# Altium PCB HIVE_BOARD_PCB ASCII REV Project_PCB_Rev.Project_SCH_Rev.PcbDoc (part 6 of 9) (continued)
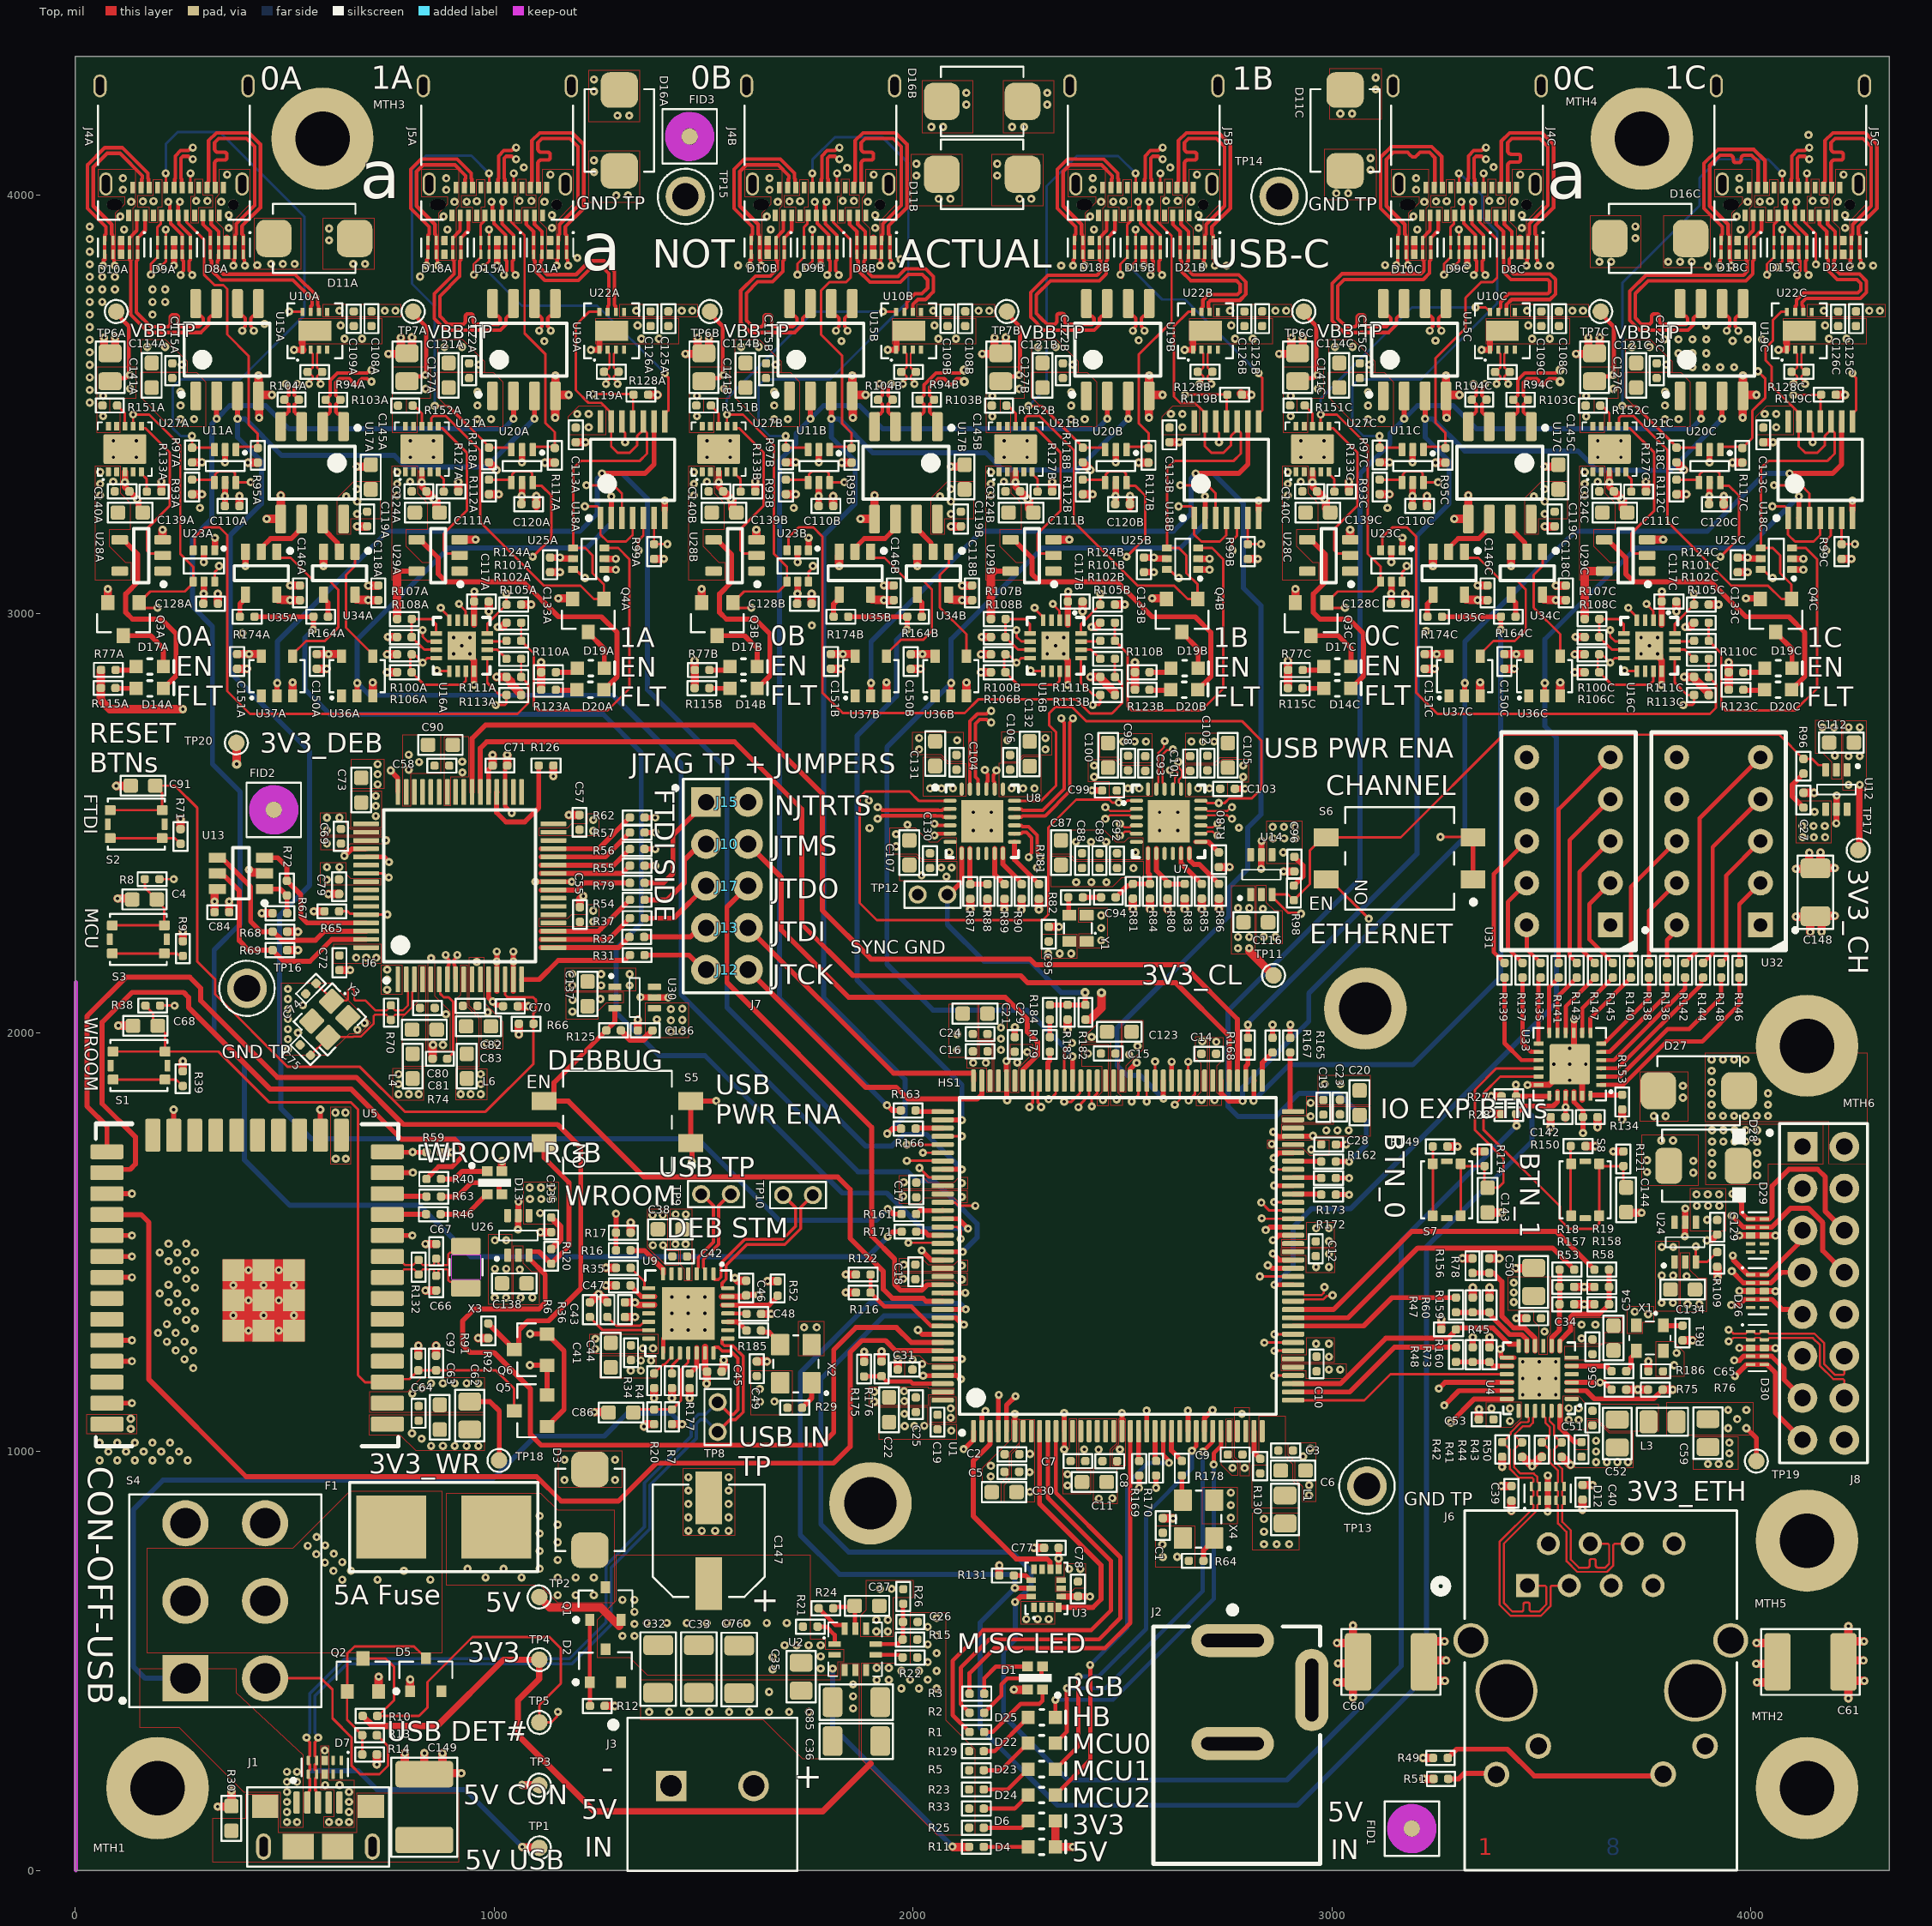
[diagram p0: Top view]
## Nets (pads, with @x,y where several pads share a name; then routed paths per layer and width w, separated by ;. In a path a pad name is that pad's centre, name@x,y a point inside that pad or via, vN(x,y) a via of type N, cw(c..) or ccw(c..) an arc to the next point about the centre after c; other vN are vias at no path point) (continued)
  other v1: 606,115.81 630,115.81 654,115.81 654,139.81 340.3,152.73 654,163.81 654,187.81 373.45,190.5 596.97,204.12 631.36,204.12 3218.54,219.1 922.08,232.22 720.3,252.81 3217.31,268.87 787.18,280.35 833.71,280.35 876.96,279.88 595.98,286.46 1370.35,378.64 1418.07,378.64 1465.79,378.64 1513.51,378.64 1561.23,378.64 1608.95,378.64 1656.67,378.64 1704.39,378.64 1752.11,378.64 1857.25,387.25 1288.34,392.72 4232.9,410.82 3050.36,412.46 1857.25,415.93 1656.67,426.36 1857.25,444.61 3012.93,449.18 4271.03,452.78 800,456 724.85,462.8 3014.41,494.61 4268.85,501.39 3012.23,543.22 4270.33,546.82 1912.73,570.79 1940.16,570.79 4232.9,583.54 3050.36,585.18 1912.73,598.22 1940.16,598.22 2270.65,600.18 2297.44,600.18 2324.23,600.18 1921.48,672.22 1948.91,672.22 2372.47,719.86 2399.66,719.86 2288.6,770.38 1464,811 1496,811 1528,811 1560,811 2620.94,840.53 2758.83,842.04 1464,843 1560,843 3515.02,856.97 2758.83,872.08 1464,875 1560,875 2443.64,887.66 2475.8,888.75 2945.33,896.01 2758.83,902.11 1464,907 1560,907 3404.4,917.85 2945.48,919.79 3622.47,920.21 1168.08,932.2 1289.08,932.2 1464,939 1560,939 2185.73,940.82 3515.49,943 2791.85,960.83 2185.92,965.87 3897.65,970.38 3923.05,970.38 3948.45,970.38 3630.6,975 3656,975 3681.4,975 3706.8,975 1168.08,980.2 1289.08,980.2 2930.93,988.15 3948.45,995.78 3630.6,1000.4 2408.95,1005.12 2443.07,1004.85 2948.43,1007.4 849.88,1013.55 878.1,1013.55 906.33,1013.55 934.55,1013.55 962.78,1013.55 3948.45,1021.18 3630.6,1025.8 827.13,1030.65 804.27,1043.55 2091.59,1049.98 133.06,1054.3 1980.17,1060.9 2003.63,1061.28 2027.08,1061.66 133.06,1078.3 2785.41,1089.73 1979.81,1089.96 1239.02,1094.29 3351,1101 1382.04,1127.38 3730.32,1147.98 2024.32,1181.19 1326.35,1193.14 1350.59,1193.14 3019.89,1195.77 2993,1195.87 1651.52,1215.03 3755.55,1215.76 1350.59,1217.38 1374.83,1217.38 1963.95,1219.94 1925.13,1239.2 3972.73,1247.46 4058.76,1246.99 819.58,1253.14 3861.12,1265.37 3596,1270.08 3376.26,1272.93 413.95,1288.73 486.19,1288.73 1463.72,1290.46 1503.09,1290.46 1740.24,1296.58 1770.28,1296.58 3596,1303 3628.92,1303 3440.06,1318.4 1336.66,1321 377.83,1324.86 450.07,1324.86 522.32,1324.86 1661.83,1328.39 3754.98,1328.04 1424.35,1329.83 1463.72,1329.83 1503.09,1329.83 3723,1334 3849.16,1351.63 3876.92,1351.48 413.95,1360.98 486.19,1360.98 1063.87,1367.77 1091.64,1367.61 1424.35,1369.2 1463.72,1369.2 1503.09,1369.2 3972.73,1383.37 4058.76,1382.9 3376.26,1391.6 1266.89,1396.79 377.83,1397.1 450.07,1397.1 522.32,1397.1 1652.81,1407.16 3846.81,1418.54 1839.65,1422.83 413.95,1433.22 486.19,1433.22 1061.52,1434.68 3438.56,1437.8 2962.11,1440.57 2993,1440.57 2117,1444 1978.27,1446.06 3399.69,1461.11 2993,1471.46 1379.27,1492.61 1403.51,1492.61 3842.55,1513.93 4058.76,1515.51 3972.73,1515.98 1057.26,1530.07 1326.34,1546.78 1378.58,1564.65 1402.82,1564.65 3405.63,1570.47 3739.23,1570.11 3843.6,1580.37 1058.32,1596.5 2117,1640.85 1978.27,1642.91 3862.55,1665.8 3751.95,1667.27 3862.55,1693.94 3751.95,1695.4 622.3,1698.94 646.3,1698.94 3299.91,1728.05 3629.25,1729.01 3033.86,1732.74 3786.06,1742.57 3814.19,1742.57 2860,1763 3522.02,1774.28 3768.53,1800.9 3796.66,1800.9 621.39,1809.14 645.39,1809.14 2224.8,1838.09 2689.03,1839.32 2486.15,1840.42 3837.76,1844.86 3837.76,1872.99 3467,1875 3020.6,1876.72 2982.46,1877.21 2534,1928 257.28,1931.82 2223,1932 2105.14,1958.12 507.94,1960.3 878.16,1970.66 981.87,1973.96 1007.32,1974.55 2690.58,1979.24 507.94,1984.3 2426.37,1989.7 2105.63,1996.26 532.18,1999.67 673.96,2006.69 507.94,2008.3 2243.2,2013.19 103.12,2016.78 691,2023 507.94,2032.3 885.25,2043.77 985.13,2048.62 1187.15,2050.23 507.94,2056.3 543.77,2065.57 1187.3,2078 507.94,2080.3 1254.21,2080.35 1416.03,2083.55 1349.6,2084.61 745.07,2102.4 507.94,2104.3 745.07,2126.4 745.07,2150.4 958.8,2168.76 850,2178 2449.21,2220.03 2837.59,2228.76 2865.35,2228.6 257.48,2242.16 2449.21,2249.87 2348.42,2252.32 2449.21,2279.71 2835.23,2295.67 101.41,2320.37 2389.53,2359.22 2425.67,2359.22 2461.81,2359.22 1185.58,2360.07 2079.73,2372.37 2020.61,2375.3 2830.97,2391.06 2526.28,2392.55 2067.55,2393.81 2092.23,2393.81 2296.27,2393.73 601.19,2450.86 2832.03,2457.49 742,2459 1896.28,2488.35 2778,2489 1986.86,2496.24 4203.92,2499.63 252.04,2509.96 1894.67,2553.65 4204.98,2566.06 2427.31,2578.2 2792.69,2582.2 98.25,2588.97 722.36,2592.81 722.36,2616.81 796.34,2627.88 722.36,2640.81 821.18,2645.88 4200.72,2661.45 796.34,2663.28 2014.83,2676.14 2316.23,2676.14 2501.79,2694.97 2528.95,2694.97 2556.11,2694.97 2664.67,2694.97 2691.83,2694.97 2718.99,2694.97 2105.48,2697.89 2225.58,2697.89 2014.83,2703.3 2316.23,2703.3 4170.6,2728.51 4198.36,2728.36 903.29,2903.79 942.66,2903.79 2320.61,2903.79 2359.98,2903.79 3737.94,2903.79 3777.31,2903.79 903.29,2943.16 942.66,2943.16 2320.61,2943.16 2359.98,2943.16 3737.94,2943.16 3777.31,2943.16 148,3273.12 1565.32,3273.12 2273.98,3273.12 2982.65,3273.12 3691.31,3273.12 119,3314.12 827.66,3314.12 1536.32,3314.12 2244.98,3314.12 2953.65,3314.12 3662.31,3314.12 358,3361.38 1066.66,3361.38 1775.32,3361.38 2483.98,3361.38 3192.65,3361.38 3901.31,3361.38 254.82,3594.35 963.57,3594.27 1672.15,3594.35 2380.89,3594.27 3089.47,3594.35 3798.22,3594.27 172.51,3636.81 881.25,3636.72 1589.83,3636.81 2298.57,3636.72 3007.15,3636.81 3715.9,3636.72 214.81,3636.99 923.56,3636.9 1632.13,3636.99 2340.88,3636.9 3049.46,3636.99 3758.2,3636.9 1120.2,3650.46 1829.35,3650.64 3247.15,3651.8 3956.52,3651.18 2538.85,3652.57 643.16,3656.36 685.24,3656.36 1351.82,3656.36 1393.9,3656.36 2060.49,3656.36 2102.56,3656.36 2769.15,3656.36 2811.22,3656.36 3477.81,3656.36 3519.88,3656.36 4186.47,3656.36 4228.54,3656.36 634,3688 1342.66,3688 2051.32,3688 2759.98,3688 3468.65,3688 4177.31,3688 452.22,3691.75 95.02,3804.02 823.56,3804.64 3897.77,3829.24 1007.26,3830.63 2550.57,3830.64 2748.72,3830.74 3520.72,3830.62 4093.88,3830.63 235.97,3831 434.78,3831.73 1582.81,3831.39 1779.28,3831.01 2353.71,3830.92 3322.59,3831 4291.85,3830.91 3126.87,3832 664.17,3834.99 692.3,3834.99 3638.4,3839.99 3666.53,3839.99 1970.85,3845.69 1198.97,3849.36 606.23,3891.19 3724.47,3896.19 117.03,3917.13 888.69,3917.13 1660.34,3917.14 2432,3917.14 3203.65,3917.13 3975.31,3917.13 606.23,3919.32 366.69,3920.99 1138.34,3920.99 1910,3921 2681.66,3921 3453.31,3920.99 4224.97,3920.99 3724.47,3924.33 108,3948 879.66,3948 1651.31,3948.01 2422.97,3948.01 3194.62,3948 3966.28,3948 366.69,3950.99 1138.34,3950.99 1910,3951 2681.66,3951 3453.31,3950.99 4224.97,3950.99 134,3983 349,3983 905.65,3983 1120.66,3983 1677.31,3983.01 1892.31,3983.01 2448.97,3983.01 2663.97,3983.01 3220.62,3983 3435.62,3983 3992.28,3983 4207.28,3983 2254.33,3990.15 2282.47,3990.15 114.32,4011.72 885.97,4011.72 1657.63,4011.74 2429.28,4011.74 3200.94,4011.73 3972.59,4011.73 114.32,4039.44 885.97,4039.44 1657.63,4039.45 2429.28,4039.45 3200.94,4039.44 3972.59,4039.44 2201.03,4045.66 363,4048 1134.66,4048 1906.31,4048.01 2677.97,4048.01 3449.62,4048 4221.28,4048 1843.06,4063.98 1071.24,4065.09 2614,4065 3386,4066 2201.03,4073.79 4137.64,4142.71 2043.87,4161.92 2072,4161.92 1294.73,4188.91 1322.87,4188.91 3020.12,4193.6 3048.26,4193.6 2127.51,4215.23 2127.51,4243.36 1238.53,4246.84 3104.46,4251.54 1238.53,4274.98 3104.46,4279.67
  other v2: 3455.48,1135.46 3494.85,1135.46 3534.22,1135.46 3455.48,1174.83 3494.85,1174.83 3534.22,1174.83 3455.48,1214.2 3494.85,1214.2 3534.22,1214.2 2143.86,2482.79 2187.17,2482.79 2588.74,2482.79 2632.04,2482.79 2143.86,2526.1 2187.17,2526.1 2588.74,2526.1 2632.04,2526.1 91.44,3373.31 146.56,3373.31 800.1,3373.31 855.22,3373.31 1508.76,3373.31 1563.88,3373.31 2217.43,3373.31 2272.54,3373.31 2926.09,3373.31 2981.2,3373.31 3634.75,3373.31 3689.87,3373.31 91.44,3412.68 146.56,3412.68 800.1,3412.68 855.22,3412.68 1508.76,3412.68 1563.88,3412.68 2217.43,3412.68 2272.54,3412.68 2926.09,3412.68 2981.2,3412.68 3634.75,3412.68 3689.87,3412.68
  other v4: 3567.87,1886.45 3529.69,1924.64 3606.06,1924.64 3567.87,1962.83
HW_EN_0A: Q3A.1 U10A.8 U18A.1 U18A.4 U23A.4 U27A.7 | length 3083.6
  Top w6: U27A.7@138.68,3447.53 v1(138.68,3475.34) 177.28,3475.34 251.18,3401.45 251.18,3142.7 281.98,3111.9 U23A.4@281.98,3076.43 281.98,3072.89 262.09,3053 179.5,3053 Q3A.1@152.87,3026.37 165.25,3014 v1(196.69,3014) ; v1(511.27,3721.17) 542.1,3721.17 U10A.8@542.77,3720.5 ; v1(1216.72,3256.28) 1246.72,3256.28 1250.24,3252.76 1250.24,3232.23 U18A.1@1254.13,3228.34 1254.13,3188.79 1270.94,3171.98 1315.26,3171.98 1330.9,3187.61 U18A.4@1330.9,3228.34
  Signal_1 w6: v1(138.68,3475.34) 99.78,3514.25 99.78,3616.86 115.61,3632.68 115.61,3812.41 160.62,3857.42 299.41,3857.42 356.56,3800.27 356.56,3675.03 373.62,3657.97 448.07,3657.97 v1(511.27,3721.17)
  Signal_2 w6: v1(196.69,3014) 196.69,3072.32 283.06,3158.68 677.29,3158.68 756.62,3238.01 1198.44,3238.01 v1(1216.72,3256.28)
HW_EN_0B: Q3B.1 U10B.8 U18B.1 U18B.4 U23B.4 U27B.7 | length 2624.2
  Top w6: U27B.7@1556.01,3447.53 v1(1556.01,3475.34) 1594.6,3475.34 1668.5,3401.45 1668.5,3142.7 1699.3,3111.9 U23B.4@1699.3,3076.43 1699.3,3072.89 1679.42,3053 1596.82,3053 Q3B.1@1570.19,3026.37 1582.57,3014 v1(1614.02,3014) ; v1(1928.6,3721.17) 1959.42,3721.17 U10B.8@1960.09,3720.5 ; v1(2634.04,3256.28) 2664.05,3256.28 2667.56,3252.76 2667.56,3232.23 U18B.1@2671.45,3228.34 2671.45,3188.79 2688.26,3171.98 2732.59,3171.98 2748.22,3187.61 U18B.4@2748.22,3228.34
  Signal_2 w6: v1(1614.02,3014) 1614.02,3072.32 1700.38,3158.68 2089.12,3158.68 2168.45,3238.01 2615.77,3238.01 v1(2634.04,3256.28)
  Bottom w6: v1@1555.92,3475.43 1555.92,3513.55 1763.54,3721.17 v1(1928.6,3721.17)
HW_EN_0C: Q3C.1 U10C.8 U18C.1 U18C.4 U23C.4 U27C.7 | length 2632.3
  Top w6: U27C.7@2973.33,3447.53 v1(2973.33,3475.34) 3011.93,3475.34 3085.82,3401.45 3085.82,3142.7 3116.62,3111.9 U23C.4@3116.62,3076.43 3116.62,3072.89 3096.74,3053 3014.14,3053 Q3C.1@2987.52,3026.37 2999.89,3014 v1(3031.34,3014) ; v1(3343,3731) 3366.92,3731 U10C.8@3377.42,3720.5 ; v1(4051.36,3256.28) 4081.37,3256.28 4084.88,3252.76 4084.88,3232.23 U18C.1@4088.77,3228.34 4088.77,3188.79 4105.59,3171.98 4149.91,3171.98 4165.54,3187.61 U18C.4@4165.54,3228.34
  Signal_2 w6: v1(3031.34,3014) 3031.34,3072.32 3117.7,3158.68 3532.6,3158.68 3611.93,3238.01 4033.09,3238.01 v1(4051.36,3256.28)
  Bottom w6: v1(2973.33,3475.34) 2973.33,3513.47 3190.86,3731 v1(3343,3731)
HW_EN_1A: Q4A.1 U18A.10 U18A.13 U21A.7 U22A.8 U25A.4 | length 1876.6
  Top w6: U21A.7@847.35,3447.53 850.25,3450.43 850.25,3466.77 855.22,3471.74 885.44,3471.74 966.7,3390.48 966.7,3219.37 1119.04,3067.03 1206.36,3067.03 1238.32,3035.07 Q4A.1@1262.3,3035.07 1262.3,3069.62 1235.29,3096.63 1235.29,3139.04 1217.62,3156.71 U25A.4@1188.99,3156.71 1188.99,3346.75 1206.58,3364.34 1347.36,3364.34 1365.17,3382.16 1365.17,3431.56 1361.66,3435.08 1360.38,3435.08 U18A.10@1356.49,3438.97 ; U22A.8@1251.43,3720.5 1226.66,3720.5 1195.06,3688.9 1195.06,3533.74 1225.44,3503.36 1255.64,3503.36 1275.83,3483.17 1275.83,3462.54 U18A.13@1279.72,3458.65 1279.72,3399.28 1294.62,3384.38 1324.23,3384.38 1341.88,3402.03 1341.88,3424.35 U18A.10@1356.49,3438.97 ; U18A.10@1356.49,3458.65 U18A.10@1356.49,3438.97
HW_EN_1B: Q4B.1 U18B.10 U18B.13 U21B.7 U22B.8 U25B.4 | length 1862.7
  Top w6: U21B.7@2264.67,3447.53 2267.57,3450.43 2267.57,3466.77 2272.54,3471.74 2302.76,3471.74 2384.03,3390.48 2384.03,3219.37 2536.36,3067.03 2623.68,3067.03 2655.65,3035.07 Q4B.1@2679.62,3035.07 2679.62,3069.62 2652.61,3096.63 2652.61,3139.04 2634.94,3156.71 U25B.4@2606.31,3156.71 2606.31,3346.75 2623.91,3364.34 2764.68,3364.34 2782.5,3382.16 2782.5,3431.56 2778.98,3435.08 2777.7,3435.08 U18B.10@2773.81,3438.97 ; U22B.8@2668.75,3720.5 2657.24,3720.5 2623.23,3686.49 2623.23,3518.12 2638.35,3503 2655,3503 2673.32,3503 2693.15,3483.17 2693.15,3462.54 U18B.13@2697.04,3458.65 2697.04,3399.28 2711.94,3384.38 2741.55,3384.38 2759.2,3402.03 2759.2,3424.35 U18B.10@2773.81,3438.97 ; U18B.10@2773.81,3458.65 U18B.10@2773.81,3438.97
HW_EN_1C: Q4C.1 U18C.10 U18C.13 U21C.7 U22C.8 U25C.4 | length 1848
  Top w6: U21C.7@3681.99,3447.53 3684.9,3450.43 3684.9,3466.77 3689.87,3471.74 3720.09,3471.74 3801.35,3390.48 3801.35,3219.37 3953.69,3067.03 4041.01,3067.03 4072.97,3035.07 Q4C.1@4096.95,3035.07 4096.95,3069.62 4069.94,3096.63 4069.94,3139.04 4052.26,3156.71 U25C.4@4023.64,3156.71 4023.64,3346.75 4041.23,3364.34 4182,3364.34 4199.82,3382.16 4199.82,3431.56 4196.3,3435.08 4195.03,3435.08 U18C.10@4191.14,3438.97 ; U22C.8@4086.08,3720.5 4072.3,3720.5 4052.33,3700.53 4052.33,3650.93 4035.15,3633.76 4035.15,3604.42 4049.74,3589.84 4049.74,3543.91 4110.47,3483.17 4110.47,3462.54 U18C.13@4114.36,3458.65 4114.36,3399.28 4129.26,3384.38 4158.87,3384.38 4176.52,3402.03 4176.52,3424.35 U18C.10@4191.14,3438.97 ; U18C.10@4191.14,3458.65 U18C.10@4191.14,3438.97
I2C_MISC_SCL: R27.2 U1.133 U3.13 U33.19 | length 4812.7
  Top w12: U1.133@2070.91,1339.15 2071.01,1339.24 2125.78,1339.24 v1(2126.1,1339.57) ; v1(2243.24,674.47) 2243.68,674.03 2281.9,674.03 U3.13@2282.34,673.59 ; R27.2@3439.81,1847.8 R27.2@3439.94,1847.8 ; v1@3439.94,1879.08 R27.2@3439.94,1847.8 ; U33.19@3518.66,1849.83 3518.66,1849.07 3517.38,1847.8 R27.2@3439.94,1847.8
  Bottom w12: v1(2126.1,1339.57) 2111.69,1353.97 1896.31,1353.97 1730.96,1188.62 1730.96,800.7 1825.04,706.62 2236.21,706.62 2243.24,699.59 v1(2243.24,674.47) 2160.46,591.69 2160.46,340.34 2345.03,155.77 2917.9,155.77 3225.48,463.35 3225.48,1488.54 3273.54,1536.6 3477.48,1740.54 3477.48,1801.85 3439.16,1840.17 v1(3439.16,1875.45)
I2C_MISC_SDA: R28.2 U1.134 U3.14 U33.20 | length 4476.9
  Top w12: U1.134@2070.91,1319.46 2071.01,1319.37 2102.6,1319.37 2118.95,1303.01 v1(2121.57,1303.01) ; v1(2243.96,640.99) 2256.88,653.9 U3.14@2282.34,653.9 ; v1@3439.81,1774.25 R28.2@3439.81,1805.53 3459.11,1824.84 3528.49,1824.84 3538.34,1834.7 U33.20@3538.34,1849.83 U33.20@3538.34,1859.76
  Bottom w12: v1(2121.57,1303.01) 2100.65,1323.94 1930.63,1323.94 1780.06,1173.37 1780.06,826.64 1846.84,759.86 2236.6,759.86 2281.97,714.49 2281.97,679 v1(2243.96,640.99) 2243.96,551.13 2216.24,523.41 2216.24,369.75 2369.98,216.01 2892.95,216.01 3165.24,488.3 3165.24,1502.53 v1(3440.59,1777.88)
IMU_I2C_EN: R131.2 U3.12 | length 47
  Top w12: R131.2@2240.94,704.15 2268.94,704.15 2277.02,696.07 2277.02,694.16 2277.91,693.27 U3.12@2282.34,693.27
IMU_INT1: U1.9 U3.4 | length 571.5
  Top w12: U1.9@2302.21,1048.79 2302.21,875.59 2448.93,728.86 2448.93,647.32 2429.43,627.81 U3.4@2347.8,627.81
IMU_INT2: U1.3 U3.9 | length 465.9
  Top w12: U1.3@2184.1,1048.79 2184.01,1048.7 2184.01,1017.72 2143.7,977.41 2143.7,846.47 2246.17,744 2320.19,744 2327.22,736.97 2327.22,720.24 U3.9@2328.11,719.35
IO_EXP_BTN0: C143.1 R114.1 S7.3 S7.4 U33.16 | length 703.1
  Top w6: S7.3@3307.5,1563.2 S7.4@3307.5,1687.21 3313.36,1681.34 R114.1@3364.26,1681.34 3364.26,1637.15 C143.1@3371.55,1629.86 3397.2,1629.86 3409.53,1642.2 3409.53,1699.47 3341.49,1767.51 3341.49,1863.43 3392.85,1914.79 U33.16@3493.07,1914.79
IO_EXP_BTN1: C144.1 R121.1 S8.3 S8.4 U33.17 | length 889.4
  Top w6: U33.17@3493.07,1895.11 3402.09,1895.11 3361.47,1854.49 3361.47,1768.44 3543.94,1585.97 3543.94,1553.99 3566.58,1531.35 3624.86,1531.35 3638.08,1544.57 S8.3@3638.08,1562.96 S8.4@3638.08,1686.97 3643.77,1681.28 R121.1@3695.73,1681.28 3695.73,1637.2 C144.1@3702.4,1630.54
IO_EXP_INT#: R134.1 U1.4 U33.22 | length 3959.9
  Top w12: U1.4@2203.79,1048.79 2203.88,1048.89 2203.88,1134.48 v1(2204.79,1135.39) ; U33.22@3577.71,1859.76 U33.22@3577.71,1849.83 3577.71,1834.62 3599.2,1813.14 R134.1@3599.2,1798.47 R134.1@3599.2,1791.97 ; R134.1@3599.28,1791.89 3599.28,1760.63 v1(3599.35,1760.55)
  Signal_1 w6: v1(2204.79,1135.39) 2228.21,1111.97 2294.49,1111.97 2351.2,1168.68 2613.32,1168.68 2737.46,1044.54 2737.46,786.07 2792.55,730.99 3844.68,730.99 4069.13,955.43 4143.25,955.43 4173.27,985.45 4173.27,1659.91 4155.92,1677.25 4064.7,1677.25 4022.47,1635.02 3853.06,1635.02 3736.25,1751.83 3609.71,1751.83 3600.99,1760.55 v1(3599.35,1760.55)
MCU_LED_0: D22.K U1.30 | length 954.4
  Top w10: D22.K@2339.87,303.88 2367.45,331.46 v1@2367.45,435.2 ; v1(2692,1000) 2714.69,1022.69 2714.69,1047.89 U1.30@2715.6,1048.79
  Bottom w10: v1(2367.69,435.2) 2459.77,435.2 2691.18,666.61 2691.18,999.18 v1(2692,1000)
MCU_LED_1: D23.K U1.28 | length 973.7
  Top w10: D23.K@2339.87,242.04 2395.13,297.29 v1@2395.13,462.88 ; v1(2666,1002) 2666,1002.26 2676.07,1012.33 2676.07,1048.63 U1.28@2676.23,1048.79
  Bottom w10: v1(2395.36,462.88) 2442.66,462.88 2556.57,576.78 2556.57,850.43 2666,959.86 v1(2666,1002)
MCU_LED_2: D24.K U1.24 | length 1016.7
  Top w10: D24.K@2339.87,180.2 2423.3,263.62 v1@2423.3,490.55 ; v1@2422.38,490.32 v1@2422.87,490.81 ; U1.24@2597.49,1048.79 2597.49,991.51 2608.96,980.04 2608.96,975.43 v1(2611.19,973.2)
  Bottom w10: v1(2423.04,490.55) 2511.63,579.14 2511.63,923.49 2561.34,973.2 v1(2611.19,973.2)
MCU_LED_B: R1.2 U1.10 | length 1104.3
  Top w10: R1.2@2135.03,330.68 2094.56,371.15 2094.56,500.26 2167.83,573.52 2425.12,573.52 2472.26,620.66 2472.26,739.54 2322,889.8 2322,1048.69 U1.10@2321.9,1048.79
MCU_LED_G: R2.2 U1.11 | length 1056.6
  Top w10: R2.2@2135.03,376.38 2114,397.41 2114,483.99 2181.84,551.82 2444.07,551.82 2495,602.75 2495,747.71 2341,901.71 2341,1048.21 U1.11@2341.58,1048.79
MCU_LED_HB: D25.K U1.31 | length 927.3
  Top w10: D25.K@2340.01,365.72 v1(2340.01,407.52) ; v1(2718,969) 2718,995.83 2735.28,1013.11 U1.31@2735.28,1048.79
  Bottom w10: v1(2340.01,407.52) 2477.42,407.52 2718,648.1 v1(2718,969)
MCU_LED_R: R3.2 U1.20 | length 940.1
  Top w10: R3.2@2135.03,422.08 2135.03,471.09 2194.37,530.43 2457.99,530.43 2518.75,591.18 U1.20@2518.75,1048.79
MCU_OSC_EN: R64.2 X4.1 | length 65.1
  Top w12: R64.2@2693.45,739.23 2693.45,764.17 2703.38,774.11 2719.04,789.76 X4.1@2719.04,793.7
MCU_RST#: R8.2 U1.27 | length 3876
  Top w6: R8.2@200.97,2366.33 R8.2@201.33,2366.33 v1@235.39,2366.33
  Top w12: U1.27@2656.54,1048.79 v1@2656.54,1097.6
  Signal_1 w6: v1@233.21,2366.33 93.75,2226.87 93.75,2037.75 83.07,2027.07 83.07,2006.93 94.9,1995.1 94.9,1514.56 117.73,1491.72 153.59,1491.72 459.62,1185.69 488.83,1185.69 703.56,970.96 1119.96,970.96 1154.68,1005.67 1343.4,1005.67 1362.08,987 2220.74,987 2354.93,1121.2 2632.94,1121.2 v1(2656.27,1097.87)
  other v1: 235.53,2366.19
MEZ_ADC1_N: D30.2 D30.9 J8.14 U1.49 | length 1723.5
  Top w5: U1.49@2907.53,1358.83 2928.44,1358.83 2933.28,1363.67 2979.82,1363.67 2987.45,1371.3 2999.93,1371.3 v1(3001.65,1373.01) ; v1(3946.95,1262.93) 3949.38,1262.93 3958.21,1271.75 3987.76,1271.75 3990.69,1268.82 3990.69,1268.35 3992.13,1266.91 D30.2@3999.31,1266.91 4006.5,1266.91 4007.93,1268.35 4007.93,1268.82 4010.86,1271.75 4020.63,1271.75 4023.56,1268.82 4023.56,1268.35 4025,1266.91 D30.9@4032.18,1266.91 4039.37,1266.91 4043.55,1271.09 4148.06,1271.09 4165.16,1253.99 4165.16,1204.51 4196.72,1172.95 4220.3,1172.95 4223.23,1170.02 J8.14@4223.23,1127.95
  Signal_1 w4: v1(3001.65,1373.01) 3004.01,1375.38 3004.01,1386.45 3103.42,1485.86 3415.17,1485.86 3444.59,1456.43 3481.76,1419.27 3481.76,1386.35 3546.72,1321.38 3641.31,1321.38 3661.7,1301 3698.08,1264.61 3698.08,1215.36 3742.96,1170.49 3829.49,1170.49 3929.75,1270.75 3935.78,1270.75 3943.61,1262.93 v1(3946.95,1262.93)
MEZ_ADC1_P: D30.1 D30.10 J8.12 U1.50 | length 1726
  Top w5: U1.50@2907.53,1378.52 2928.44,1378.52 2933.28,1373.67 2975.68,1373.67 2980.38,1378.37 2980.38,1390.85 v1(2982.09,1392.57) ; v1(3946.95,1290.58) 3949.38,1290.58 3958.21,1281.75 3987.76,1281.75 3990.69,1284.68 3990.69,1285.16 3992.13,1286.6 D30.1@3999.31,1286.6 4006.5,1286.6 4007.93,1285.16 4007.93,1284.68 4010.86,1281.75 4020.63,1281.75 4023.56,1284.68 4023.56,1285.16 4025,1286.6 D30.10@4032.18,1286.6 4039.37,1286.6 4040.81,1285.16 4040.81,1284.68 4043.74,1281.75 4151.54,1281.75 4175.16,1258.13 4175.16,1208.65 4200.86,1182.95 4220.3,1182.95 4223.23,1185.88 J8.12@4223.23,1227.95
  Signal_1 w4: v1(2982.09,1392.57) 2984.46,1394.93 2995.53,1394.93 3098.45,1497.86 3420.14,1497.86 3493.76,1424.24 3493.76,1391.32 3551.69,1333.38 3646.28,1333.38 3678.67,1301 3710.08,1269.58 3710.08,1220.33 3747.93,1182.49 3824.52,1182.49 3924.78,1282.75 3935.78,1282.75 3943.61,1290.58 v1(3946.95,1290.58)
MEZ_I2C_SCL: D30.4 D30.7 J8.13 U1.53 | length 1668.5
  Top w12: v1(2847.2,1444.81) 2849.82,1444.81 2857.05,1437.57 U1.53@2907.53,1437.57 ; v1(3960.33,1217.77) 3973.01,1217.77 3982.79,1227.54 D30.4@3999.31,1227.54 D30.7@4032.18,1227.54 4049.46,1227.54 4079.12,1197.88 4079.12,1172.06 J8.13@4123.23,1127.95
  Signal_1 w6: v1(2847.2,1444.81) 2994.82,1297.19 3382.2,1297.19 3443.65,1235.74 3534.17,1235.74 3538.86,1231.05 3541.2,1231.05 3551.06,1221.18 3551.06,1218.84 3680.69,1089.22 3908.06,1089.22 3987.1,1168.26 3987.1,1190.99 v1(3960.33,1217.77)
MEZ_I2C_SDA: D30.5 D30.6 J8.15 U1.54 | length 1627.8
  Top w12: v1(2858.74,1472.67) 2874.06,1457.35 2907.43,1457.35 U1.54@2907.53,1457.26 ; v1(3962.21,1180.22) 3989.85,1207.85 D30.5@3999.31,1207.85 D30.6@4032.18,1207.85 4039.15,1207.85 4051,1196 4058.46,1188.54 4058.46,1092.72 J8.15@4123.23,1027.95
  Signal_1 w6: v1(2858.74,1472.67) 2994.93,1336.49 3387.83,1336.49 3457.42,1266.9 3567.81,1266.9 3708.7,1126 3908,1126 v1(3962.21,1180.22)
MEZ_SPI_MISO: D26.2 D26.9 J8.7 U1.63 | length 1541.1
  Top w12: v1(2861.91,1635.13) 2862.52,1634.52 2907.43,1634.52 U1.63@2907.53,1634.42 ; v1(3954.35,1430.65) 3982.18,1402.82 D26.2@3999.31,1402.82 D26.9@4032.18,1402.82 4047.82,1402.82 4072.95,1427.95 J8.7@4123.23,1427.95
  Signal_1 w6: v1(2861.91,1635.13) 2908.74,1635.13 2983.44,1709.82 3261.76,1709.82 3276.66,1694.92 3656.47,1694.92 3818.36,1533.03 3924.97,1533.03 3981.61,1476.39 3981.61,1457.91 v1(3954.35,1430.65)
MEZ_SPI_MOSI: D26.4 D26.7 J8.9 R173.2 | length 1259.2
  Top w12: R173.2@3009.5,1653 v1@3040.8,1653 ; v1(3953.39,1349.75) 3970.98,1349.75 3984.68,1363.45 D26.4@3999.31,1363.45 D26.7@4032.18,1363.45 4050.74,1363.45 4074.97,1339.22 4111.96,1339.22 J8.9@4123.23,1327.95
  Signal_1 w6: v1(3041.13,1652.67) 3066.18,1627.62 3553,1627.62 3781.25,1399.36 3903.78,1399.36 v1(3953.39,1349.75)
MEZ_SPI_SCK: D26.1 D26.10 J8.5 R172.2 | length 1381.1
  Top w12: R172.2@3009.5,1613.38 v1@3040.8,1613.38 ; v1(3957,1468) 3958.85,1466.15 3958.85,1456.68 3993.02,1422.5 D26.1@3999.31,1422.5 D26.10@4032.18,1422.5 4039.5,1422.5 4111.96,1494.96 4111.96,1516.69 J8.5@4123.23,1527.95
  Signal_1 w6: v1(3041.13,1613.04) 3016.18,1637.99 3016.18,1660.9 3028.92,1673.65 3098.45,1673.65 3109.09,1663.01 3580.06,1663.01 3791.12,1451.95 3939.23,1451.95 3955.28,1468 v1(3957,1468)
MEZ_UART_Rx: D29.1 D29.10 J8.6 U1.57 | length 2242.4
  Top w12: v1(2859.12,1504.76) 2861.73,1504.76 2873.19,1516.22 2907.43,1516.22 U1.57@2907.53,1516.31 ; v1(3956.62,1615.29) 3978.14,1593.77 3978.14,1569.47 3992.5,1555.12 D29.1@3999.31,1555.12 D29.10@4032.18,1555.12 4043.75,1555.12 4050.77,1562.15 4050.77,1633.73 4091.05,1674 4159.17,1674 4177.8,1655.38 4177.8,1573.39 J8.6@4223.23,1527.95
  Signal_1 w6: v1(2859.12,1504.76) 2910.36,1556 3005.55,1556 3021.1,1540.45 3491.14,1540.45 3679.59,1352 3757.71,1352 3796.53,1313.18 4028.07,1313.18 4077.28,1362.38 4080.8,1365.9 4080.8,1521.18 3998.28,1603.7 3986.68,1615.29 v1(3956.62,1615.29)
MEZ_UART_Tx: D29.2 D29.9 J8.8 U1.58 | length 2048.1
  Top w12: v1(2841.94,1528.93) 2844.56,1528.93 2851.62,1536 U1.58@2907.53,1536 ; v1(3954.35,1563.27) 3982.18,1535.43 D29.2@3999.31,1535.43 D29.9@4032.18,1535.43 4049.43,1535.43 4095.1,1581.1 4136.87,1581.1 4171.71,1546.26 4171.71,1479.47 J8.8@4223.23,1427.95
  Signal_1 w6: v1(2841.94,1528.93) 2904.86,1591.85 3518.21,1591.85 3735.06,1375 3889.94,1375 3933.01,1331.93 4010.88,1331.93 4035.35,1356.39 4035.35,1482.27 v1(3954.35,1563.27)